# Altium PCB HedefProjem.PcbDoc (part 1 of 2)
Units mil, origin at the board's own origin, x right, y up, seen from the top; angles counter-clockwise.
Board outline 4012 x 2854.63 mil, 4 copper layers (Top Layer, GROUND, POWER, Bottom Layer), stack 53.912 mil thick; 126 components, 87 nets, 433 pads, 63 vias.
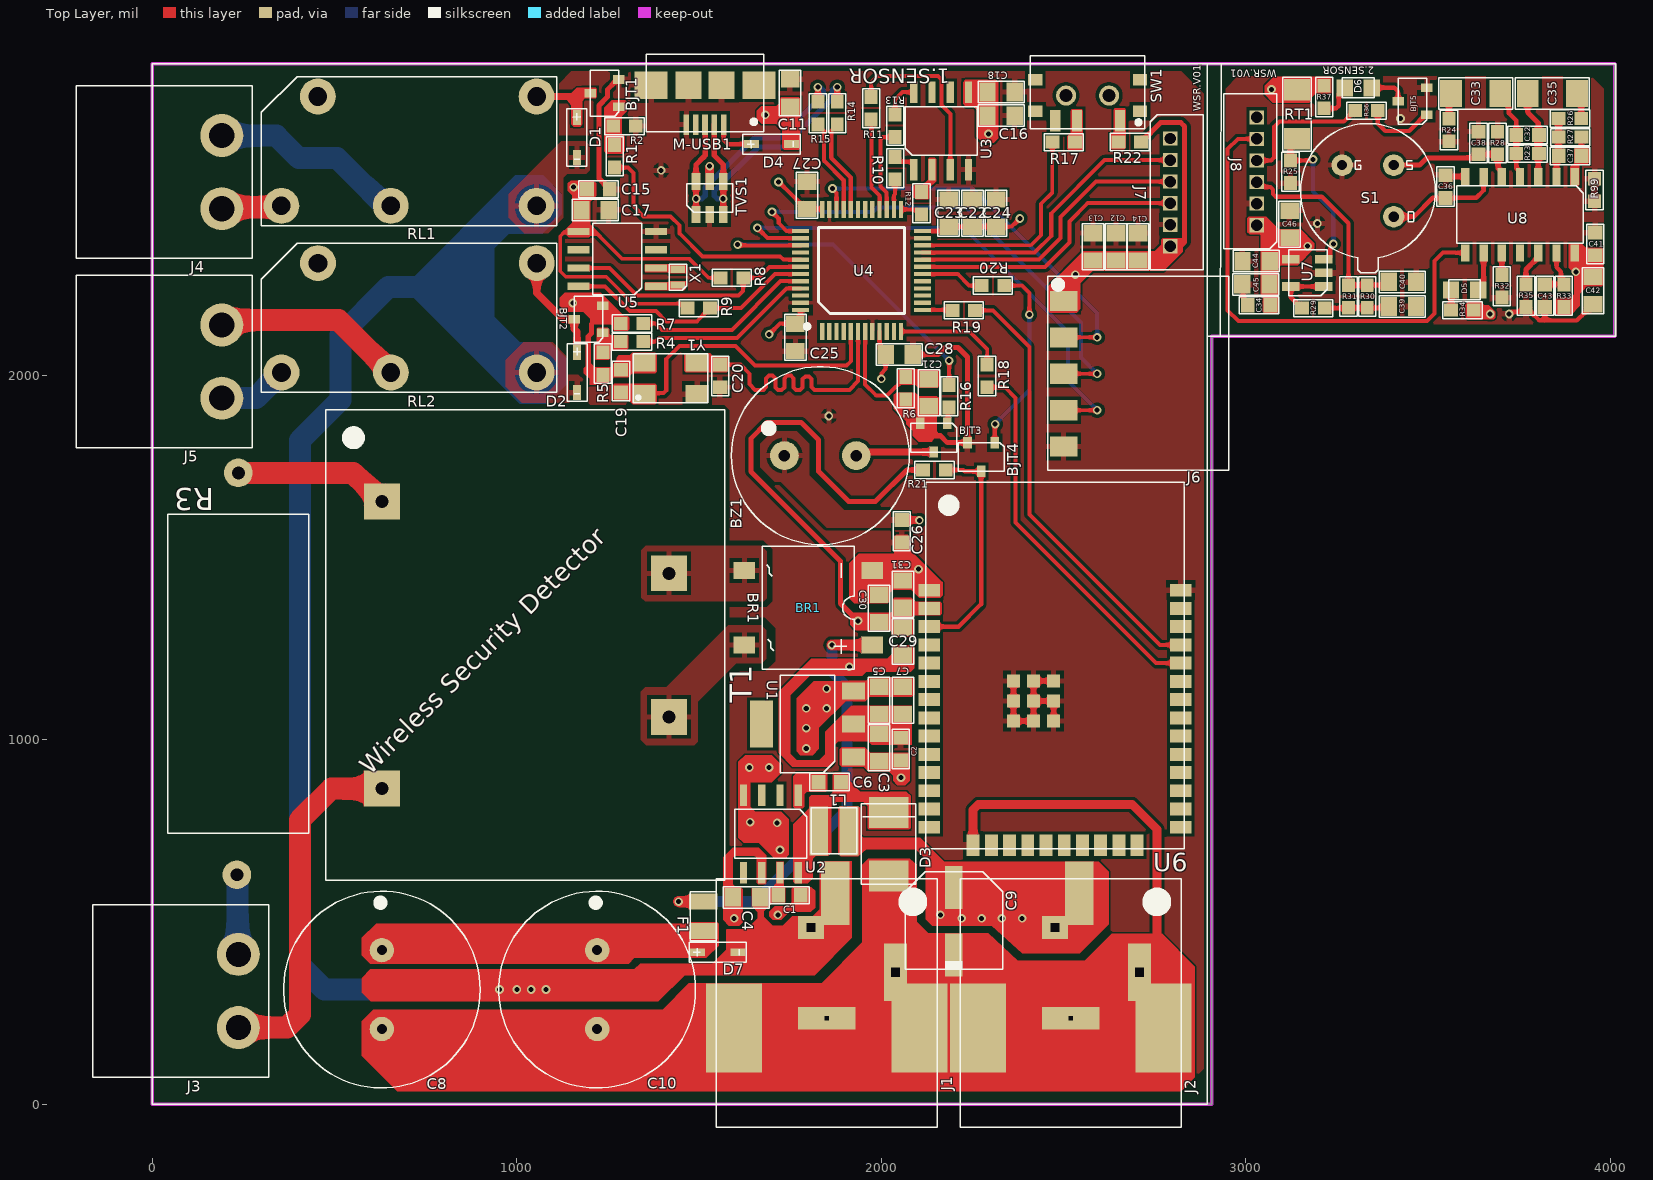
[diagram p0: Top Layer view]
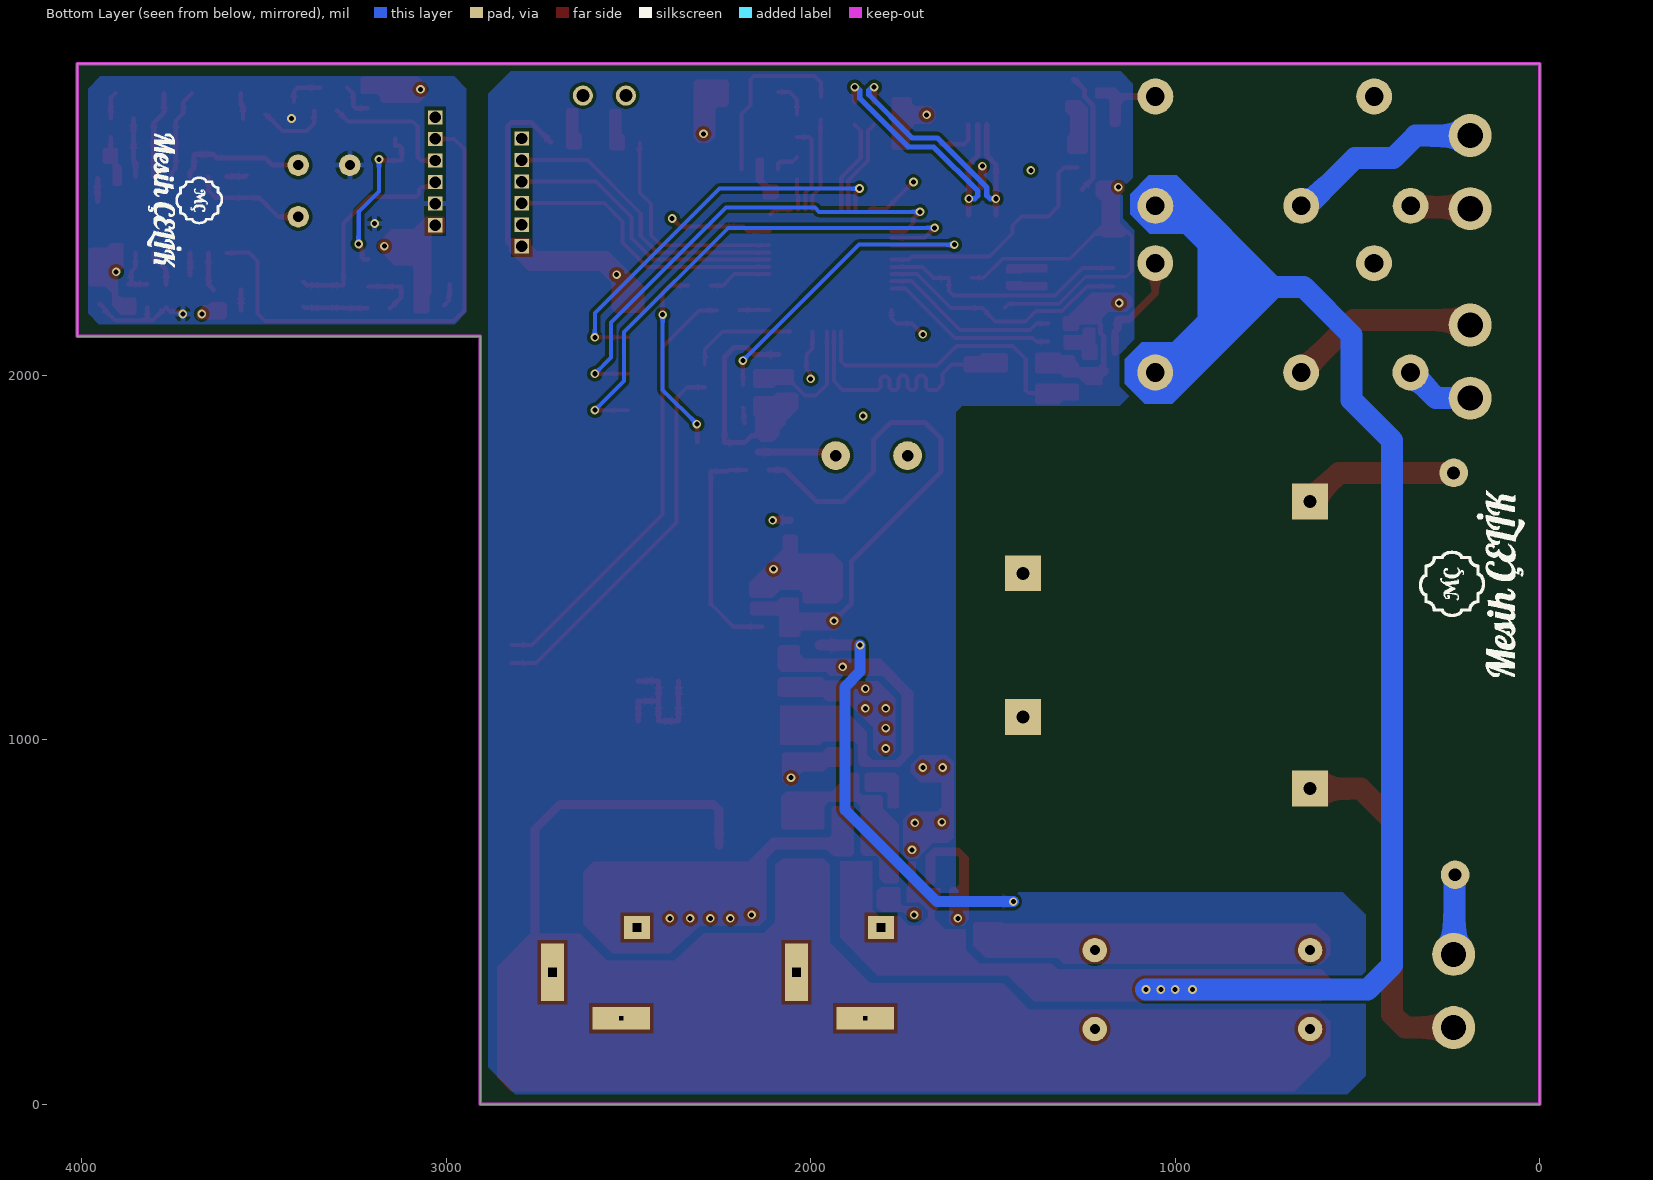
[diagram p1: Bottom Layer view, seen from below]
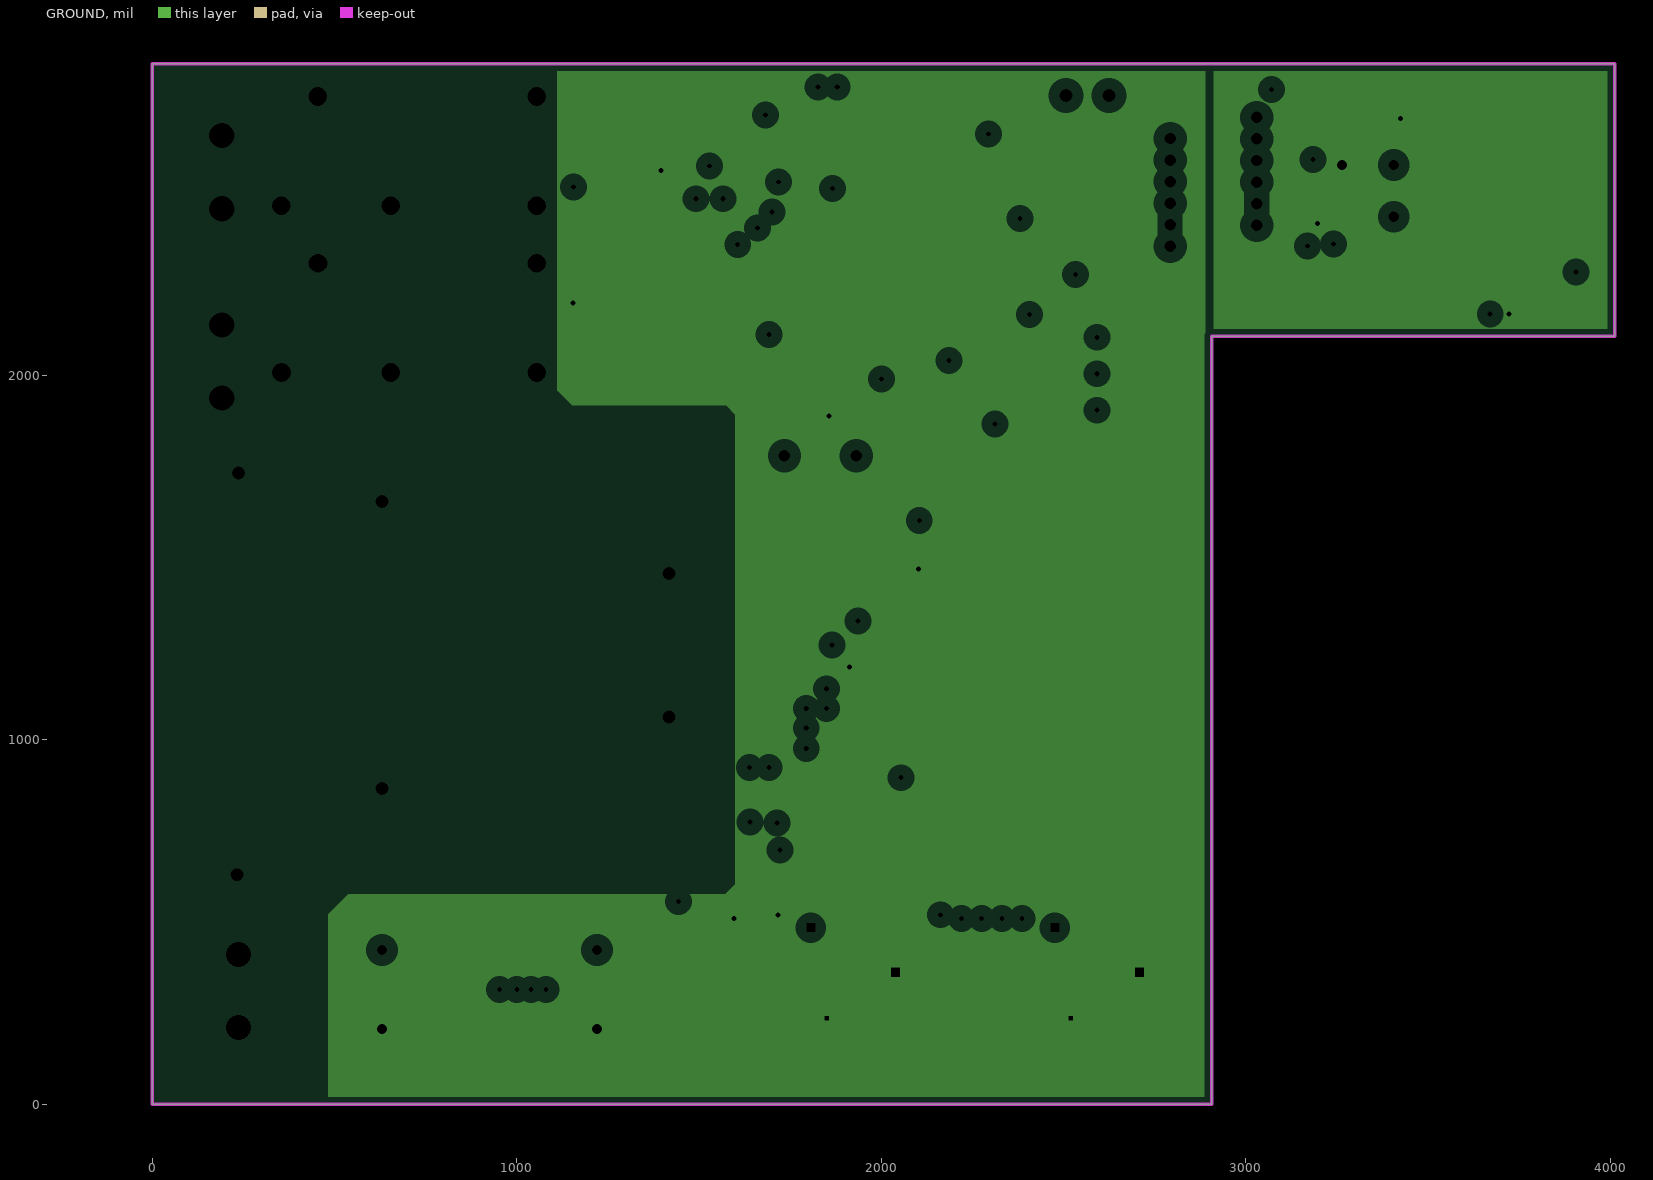
[diagram p2: GROUND, clearances drawn from the general rule]
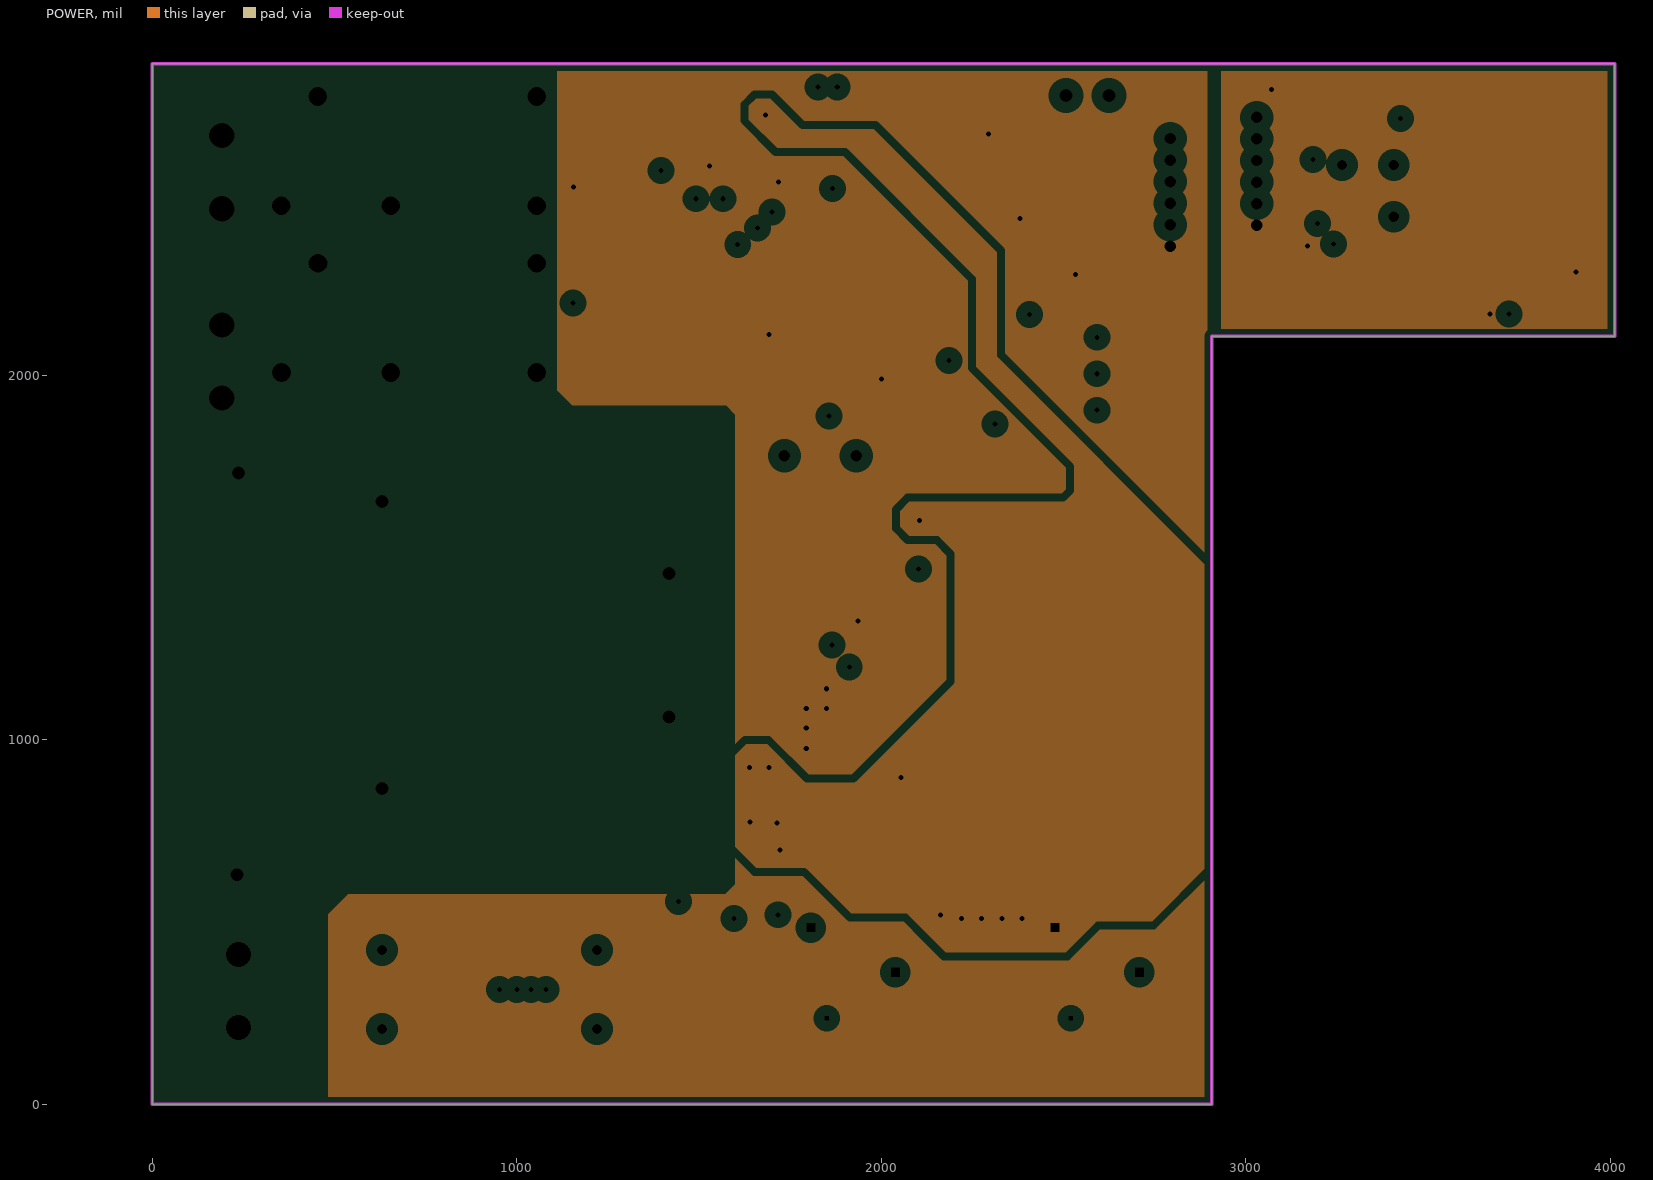
[diagram p3: POWER, clearances drawn from the general rule]
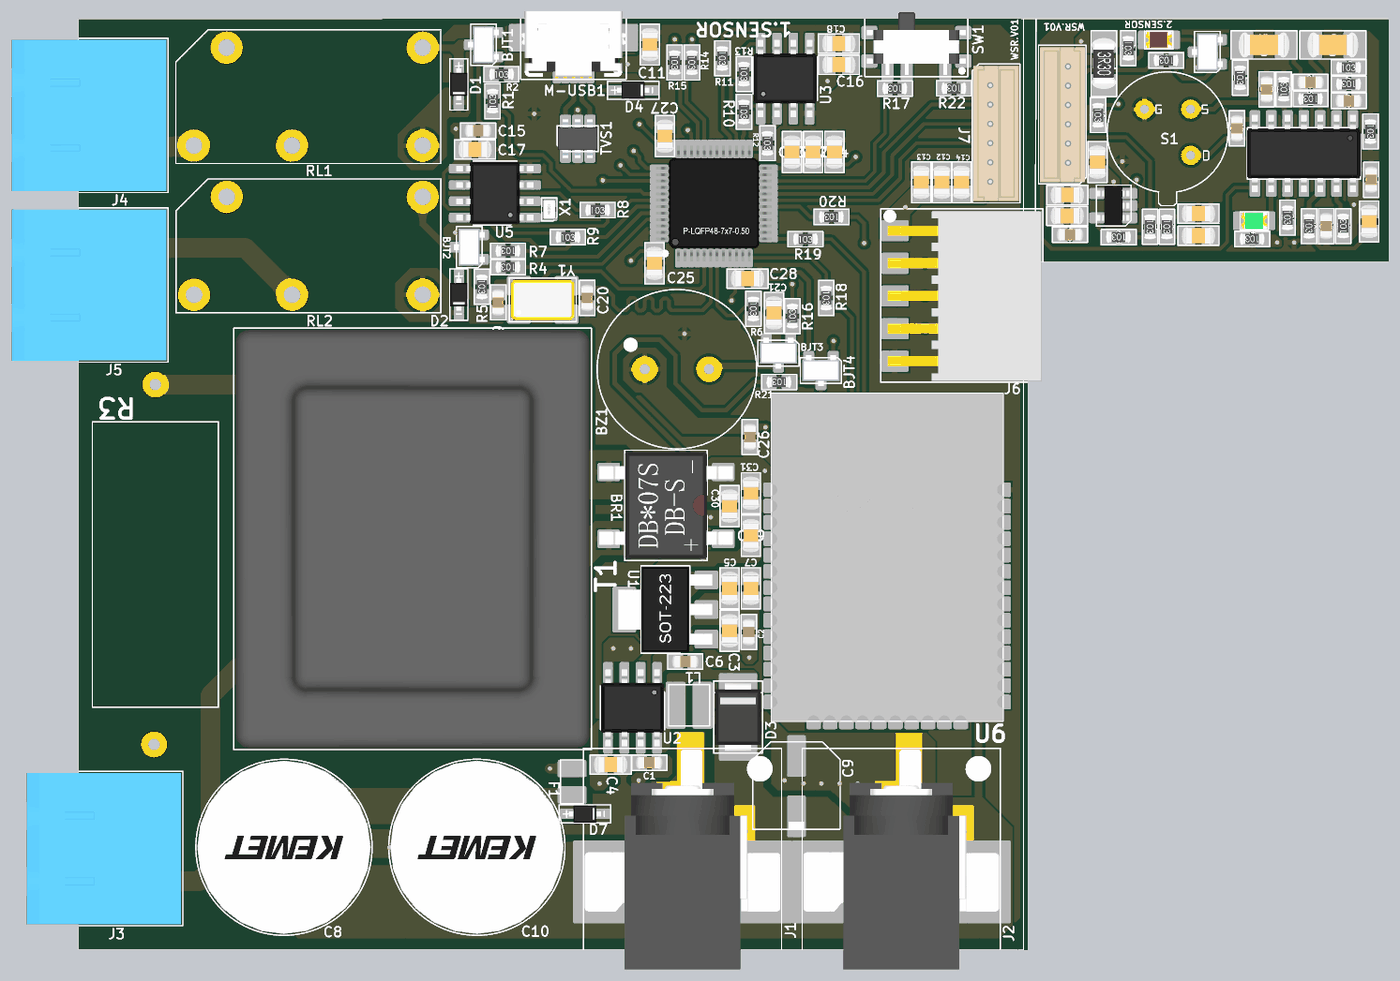
[diagram p5: 3D render of the assembled board from above, using the file's embedded part models]

## Layer stack, top to bottom
Top Solder: solder mask 1, SM-001, Dk 4
Top Layer: signal copper 1.378
Dielectric 1: prepreg 5.1, PP-017, Dk 4.3
Dielectric 2: prepreg 5.1, PP-017, Dk 4.3
GROUND: plane copper 1.378, net (Multiple Nets)
Dielectric 3: core 28, Core-039, Dk 4.8
POWER: plane copper 1.378, net (Multiple Nets)
Dielectric 4: prepreg 5.1, PP-017, Dk 4.3
Dielectric 5: prepreg 5.1, PP-017, Dk 4.3
Bottom Layer: signal copper 1.378
Bottom Solder: solder mask 1, SM-001, Dk 4

## Board outline
0,0 0,2854.33 2893.7,2854.33 2893.7,2854.63 4012,2854.63 4012,2106.6 2906,2106.6 2906,1700.3 2906,0

## Design rules (kind name [scope] priority, off if disabled: settings)
Clearance İşlemci [InComponent('U4')] p1: gap=9 ignorepadtopadclearanceinfootprint=TRUE except(0: Arc-Text Track-Text SMDPad-Text THPad-Text Via-Text Fill-Text Poly-Text Region-Text Text-Text Text-Hole; 1: Arc-SMDPad Arc-Region Track-SMDPad Track-Region SMDPad-SMDPad SMDPad-Region THPad-Region Via-Region Fill-Region Poly-Region Region-Region; 8: SMDPad-THPad THPad-THPad; 10: Arc-Arc Arc-Track Arc-THPad Arc-Via Track-Track Track-THPad Track-Via SMDPad-Via THPad-Via Via-Via)
Clearance "USB 1 Aralığı" [InNet('USB1_P') vs InNet('USB1_N')] p2: gap=9 ignorepadtopadclearanceinfootprint=TRUE except(0: Arc-Text Track-Text SMDPad-Text THPad-Text Via-Text Fill-Text Poly-Text Region-Text Text-Text Text-Hole; 1: Arc-Arc Arc-Track Track-Track; 8: SMDPad-SMDPad SMDPad-THPad THPad-THPad; 10: Arc-SMDPad Arc-THPad Arc-Via Track-SMDPad Track-THPad Track-Via SMDPad-Via THPad-Via Via-Via)
Clearance [All] p3: gap=9 ignorepadtopadclearanceinfootprint=TRUE except(0: Arc-Text Track-Text SMDPad-Text THPad-Text Via-Text Fill-Text Poly-Text Region-Text Text-Text Text-Hole; 5: Arc-Arc Arc-Track Arc-Region Track-Track Track-Region SMDPad-Region THPad-Region Via-Region Fill-Region Poly-Region Region-Region; 8: SMDPad-SMDPad SMDPad-THPad THPad-THPad; 10: Arc-THPad Arc-Via Track-THPad Track-Via SMDPad-Via THPad-Via Via-Via)
ComponentClearance [All] p1: gap=5 collisioncheckmode=3 verticalgap=0 showdistances=FALSE
DiffPairsRouting [InDifferentialPair('USB')] p1: maxlimit=10 minlimit=10 mostfreqgap=10 toplayer_minwidth=14.7 toplayer_maxwidth=14.7 toplayer_prefwidth=14.7 bottomlayer_minwidth=14.7 bottomlayer_maxwidth=14.7 bottomlayer_prefwidth=14.7 impedanceprofiledriven=TRUE impedanceprofileid={5832FA79-F677-48D9-84ED-5765D9BACB0D} impedanceprofilevalue=90.000000 maxuncoupledlength=500
DiffPairsRouting DiffPairsRouting_1 [InDifferentialPair('USB1')] p2: maxlimit=7.87 minlimit=7.87 mostfreqgap=7.87 toplayer_minwidth=11.67 toplayer_maxwidth=11.67 toplayer_prefwidth=11.67 bottomlayer_minwidth=11.67 bottomlayer_maxwidth=11.67 bottomlayer_prefwidth=11.67 impedanceprofiledriven=TRUE impedanceprofileid={8D0D11BD-4781-49DD-93B3-57A1AFFA7805} impedanceprofilevalue=90.000000 maxuncoupledlength=500
MinimumSolderMaskSliver [All] p1: minsoldermaskwidth=5
NetAntennae [All] p1: netantennaetolerance=10
PasteMaskExpansion [All] p1: expansion=5
PlaneClearance [All] p1: clearance=30
PlaneConnect [All] p1: planeconnectstyle=Relief reliefexpansion=15 reliefentries=4 reliefconductorwidth=15 reliefairgap=10
PolygonConnect [All] p1: connectstyle=Relief reliefconductorwidth=15 reliefentries=4 polygonreliefangle="90 Angle" airgapwidth=10
RoutingCorners [All] p1: cornerstyle=45-Degree minsetback=80 maxsetback=80
RoutingVias [All] p1: holewidth=11.81 width=19.68 viastyle="Through Hole" minholewidth=9.84 minwidth=15.75 maxholewidth=19.68 maxwidth=39.37
SMDEntry [All] p1: side=TRUE corner=TRUE anyangle=FALSE
SMDToCorner [All] p1: distance=100000
SMDToPlane [All] p1: distance=150000
SilkToSilkClearance [All] p1 off: silktosilkclearance=0
SilkToSolderMaskClearance [IsPad] p1 off: minsilkscreentomaskgap=5 clearancetoexposedcopper=TRUE
SolderMaskExpansion [All] p1: expansion=1.97 istentingtop=FALSE
UnRoutedNet [All] p1: checkbadconnections=TRUE
Width [All] p1: maxlimit=70 minlimit=8 preferedwidth=11 bottomlayer_prefwidth=10 minimp=50.000000 maximp=50.000000 favimp=50.000000
19 further rules are at their usual default settings.

## Classes and differential pairs
component class "Sensor Board": BJT5 C32 C33 C34 C35 C36 C37 C38 C39 C40 C41 C42 C43 C44 C45 C46 D5 D6 J8 R23 R24 R25 R26 R27 R28 R29 R30 R31 R32 R33 R34 R35 R36 R37 R99 RT1 S1 U7 U8
component class "Power Management": BJT1 BJT2 BR1 C1 C2 C3 C4 C5 C6 C7 C8 C9 C10 C11 C12 C13 C14 D1 D2 D3 D4 D7 F1 J1 J2 J3 J4 J5 J6 J7 L1 M-USB1 R1 R2 R3 R4 R5 RL1 RL2 T1 U1 U2
component class Microcontroller: BJT3 BJT4 BZ1 C15 C16 C17 C18 C19 C20 C21 C22 C23 C24 C25 C26 C27 C28 C29 C30 C31 R6 R7 R8 R9 R10 R11 R12 R13 R14 R15 R16 R17 R18 R19 R20 R21 R22 SW1 TVS1 U3 U4 U5 U6 X1 Y1
differential pair USB1: +USB1_P -USB1_N
differential pair USB: +USB_P -USB_N

## Components (designator, comment, footprint, x,y, rotation, side; value= is the part's Value field where it differs from the comment)
BJT1 "MMBT3904-7-F" SOT-23F 1240.85,2773.72 r270 top
BJT2 "MMBT3904-7-F" SOT-23F 1196.85,2153.54 r270 top
BJT3 "MMBT3904-7-F" SOT-23F 2143.7,1828.74 r0 top
BJT4 "MMBT3904-7-F" SOT-23F 2273.62,1775.59 r0 top
BJT5 "MMBT3904-7-F" SOT-23F 3456.63,2751.32 r270 top
BR1 "DB105STR" DB105STR 1799.21,1362.2 r90 top
BZ1 "CMI-1295IC-0585T" CMI-1295IC 1832.68,1779.53 r90 top
C1 "C0603C104K5RACTU" CAP_0603 1748,573.67 r90 top
C2 "C0603C104K5RACTU" CAP_0603 2053.15,974.41 r180 top
C3 "CL21B105KBFNNNE" CAP_0805 1994.09,978.35 r180 top
C4 "CL21B105KBFNNNE" CAP_0805 1630,568 r270 top
C5 "CL21A475KAQNNNE" CAP_0805 1994.09,1108.27 r0 top
C6 "0603B103K500CT" CAP_0603 1858.27,883.86 r270 top
C7 "CL21B105KBFNNNE" CAP_0805 2059.06,1108.27 r0 top
C8 "ESH477M050AH4AA" ESH477M050AH4AA 629.92,314.96 r180 top
C9 "EEV686M035A9HAA" EEV686M035A9HAA 2198.82,503.94 r90 top
C10 "ESH477M050AH4AA" ESH477M050AH4AA 1220.47,314.96 r180 top
C11 "CL21A475KAQNNNE" CAP_0805 1750,2774 r180 top
C12 "CL21A475KAQNNNE" CAP_0805 2643.69,2352.2 r180 top
C13 "CL21A475KAQNNNE" CAP_0805 2580.69,2352.2 r180 top
C14 "CL21B105KBFNNNE" CAP_0805 2704,2352.2 r180 top
C15 "C0603C104K5RACTU" CAP_0603 1224,2510 r90 top
C16 "CL21B105KBFNNNE" CAP_0805 2328.4,2712.03 r90 top
C17 "CL21B105KBFNNNE" CAP_0805 1214.79,2452.76 r90 top
C18 "CL21B104KBCNNNC" CAP_0805 2328.4,2776.99 r90 top
C19 "CL10C200JB8NNNC" CAP_0603 1286,1984 r180 top
C20 "CL10C200JB8NNNC" CAP_0603 1558,1998 r0 top
C21 "CL21B104KBCNNNC" CAP_0805 2130,1952 r180 top
C22 "CL21A475KAQNNNE" CAP_0805 2249.81,2444.7 r180 top
C23 "CL21B105KBFNNNE" CAP_0805 2184.82,2444.7 r180 top
C24 "CL21B104KBCNNNC" CAP_0805 2314.77,2444.7 r180 top
C25 "CL21B104KBCNNNC" CAP_0805 1764,2104 r0 top
C26 "ALA7DF471CF450" CAP_0603 2056,1572 r0 top
C27 "CL21B104KBCNNNC" CAP_0805 1796,2493.4 r180 top
C28 "CL21B104KBCNNNC" CAP_0805 2049,2057 r90 top
C29 "CL21A475KAQNNNE" CAP_0805 2059.06,1269.68 r0 top
C30 "CL21B105KBFNNNE" CAP_0805 1994.09,1360.24 r180 top
C31 "CL21B104KBCNNNC" CAP_0805 2059.06,1399.61 r180 top
C32 "0603B103K500CT" CAP_0603 3772.48,2658.9 r270 top
C33 "C3216X5R1E336M160AC" CAP_1206 3630,2772.98 r90 top
C34 "C0603C104K5RACTU" CAP_0603 3036,2192 r270 top
C35 "C3216X5R1E336M160AC" CAP_1206 3840.49,2772.98 r270 top
C36 "ALA7DF471CF450" CAP_0603 3547.18,2517.57 r180 top
C37 "0603B103K500CT" CAP_0603 3889.21,2601.72 r270 top
C38 "ALA7DF471CF450" CAP_0603 3638,2637 r180 top
C39 "CL21A475KAQNNNE" CAP_0805 3429.07,2188.33 r90 top
C40 "CL21B105KBFNNNE" CAP_0805 3429.07,2256.15 r90 top
C41 "ALA7DF471CF450" CAP_0603 3958,2360 r180 top
C42 "CL21B105KBFNNNE" CAP_0805 3952,2232 r0 top
C43 "ALA7DF471CF450" CAP_0603 3820,2218 r0 top
C44 "CL21A475KAQNNNE" CAP_0805 3027.82,2313.06 r270 top
C45 "CL21A475KAQNNNE" CAP_0805 3027.4,2249.36 r270 top
C46 "CL21B105KBFNNNE" CAP_0805 3120,2414 r180 top
D1 "1N4148WS" SOD323F 1165,2652 r0 top
D2 "1N4148WS" SOD323F 1165.35,2007.87 r0 top
D3 "1SMB5919BT3G" "SMB _CASE" 2020,714 r180 top
D4 "1N4148WS" SOD323F 1698.88,2634 r90 top
D5 "LTST-C171GKT" LED_0805_GREEN 3600,2234 r90 top
D6 "LH R974-LP-1-0-20-R18" LED_0805_RED 3308,2788 r90 top
D7 "1N4148WS" SOD323F 1551.18,417.32 r90 top
F1 "3413.0216.22" 1206(3216) 1511.81,515.75 r270 top
J1 "PJ-037AH-SMT-TR" PJ-037AH-SMT-TR 1850.12,393.98 r270 top
J2 "PJ-037AH-SMT-TR" PJ-037AH-SMT-TR 2519.41,393.98 r270 top
J3 "TBP01R1-508-02BE" TBP01R1-508 236.22,311.02 r90 top
J4 "TBP01R1-508-02BE" TBP01R1-508 190.94,2557.09 r90 top
J5 "TBP01R1-508-02BE" TBP01R1-508 190.94,2037.4 r90 top
J6 "SMH-105-02-L-S" PINHEADER1X5_RA 2500,2004 r270 top
J7 "64800611622" 64800611622 2792,2501.64 r270 top
J8 "64800611622" 64800611622 3030,2559.42 r90 top
L1 "78438335470" IND_1212 1870.08,750 r0 top
M-USB1 "10118192-0001LF" MICRO_B_USB 1516.2,2706.79 r180 top
R1 "RC0603FR-101KL" RES_0603 1268.41,2600.49 r180 top
R2 "RC0603FR-0710KL" RES_0603 1295.48,2683.17 r90 top
R3 "5WD27" RES_AXIAL_W 236.22,1181.1 r90 top
R4 "RC0603FR-101KL" RES_0603 1316,2092 r270 top
R5 "RC0603FR-0710KL" RES_0603 1236,2032 r0 top